# Altium PCB CT9042 FrontPanel.PcbDoc
Units mm, origin at the board's own origin, x right, y up, seen from the top; angles counter-clockwise.
Board outline 242.25 x 69.25 mm, 4 copper layers (Top Layer, Layer 1, Layer 2, Bottom Layer), stack 1.794 mm thick; 45 components, 0 nets, 135 pads, 0 vias.
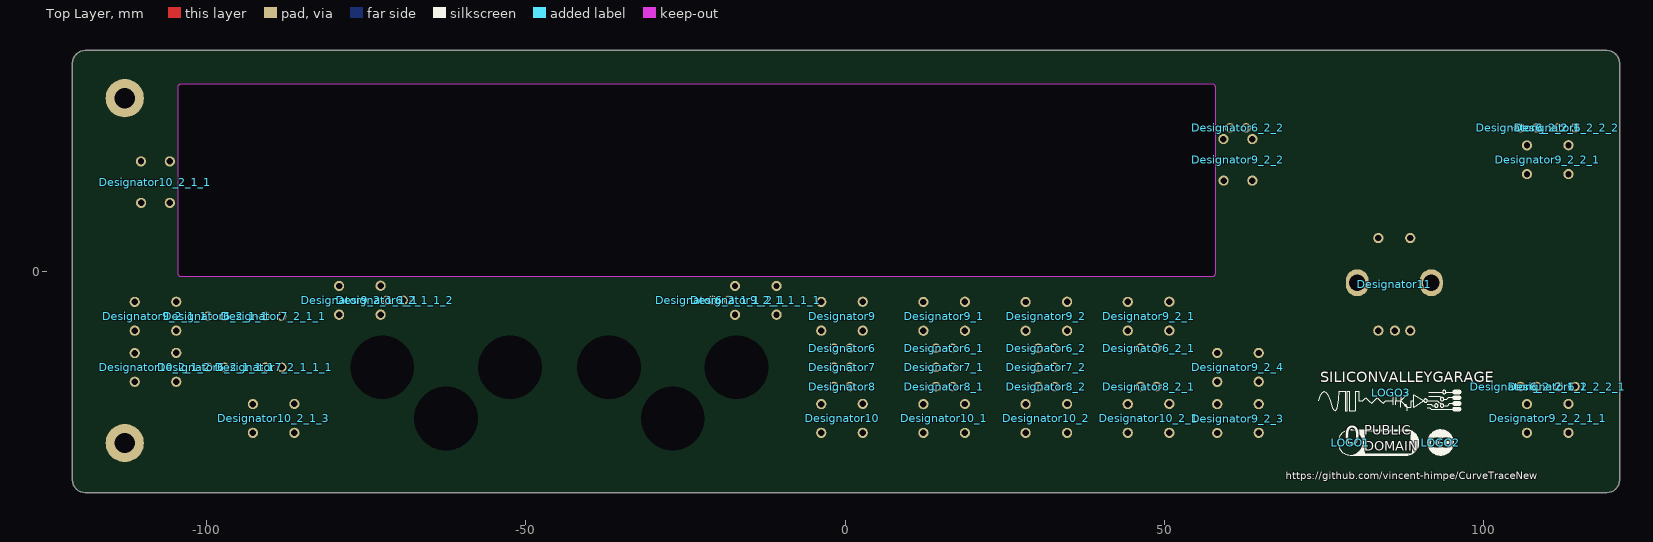
[diagram p0: Top Layer view]
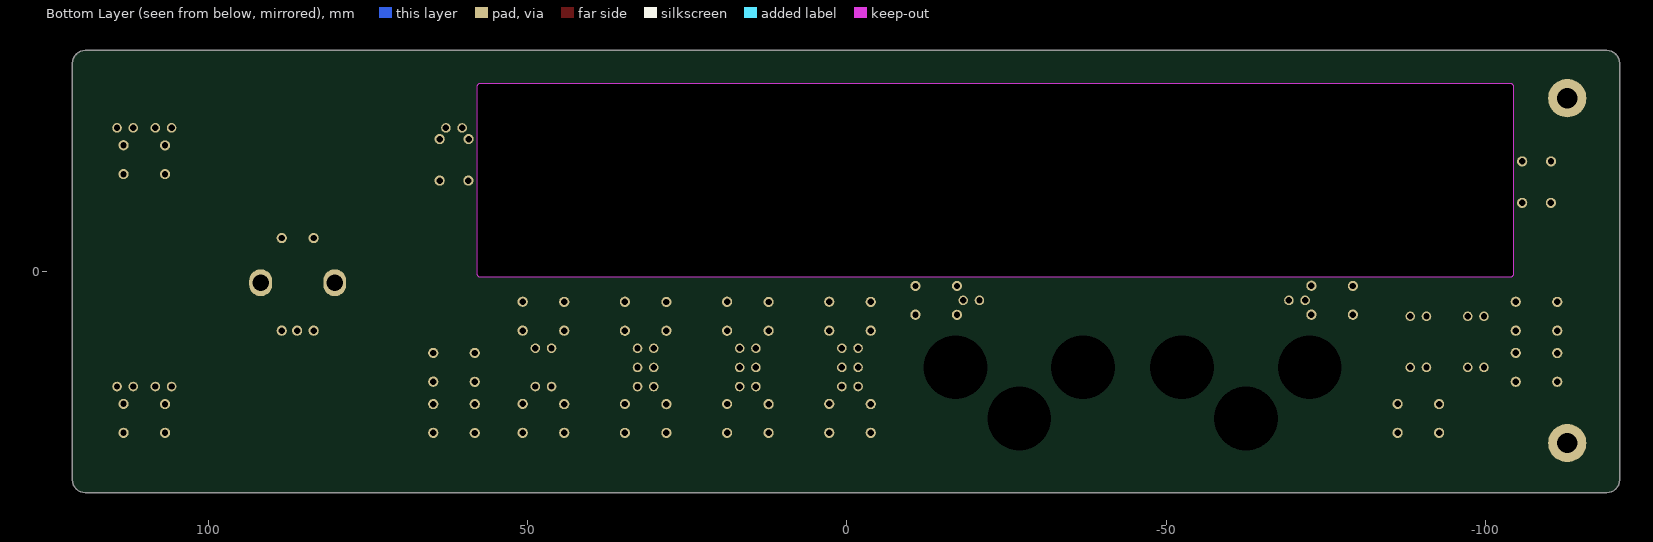
[diagram p1: Bottom Layer view, seen from below]

## Layer stack, top to bottom
Top Solder: solder mask 0.0102, Solder Resist, Dk 3.5
Top Layer: signal copper 0.0356
Dielectric 2: prepreg 0.1016, Core-009, Dk 4.5
Layer 1: signal copper 0.035
Dielectric 1: dielectric 1.45, FR-4, Dk 4.8
Layer 2: signal copper 0.035
Dielectric 3: prepreg 0.1016, Core-009, Dk 4.5
Bottom Layer: signal copper 0.0356
Bottom Solder: solder mask 0.0102, Solder Resist, Dk 3.5

## Board outline
-120.663,-33.736 -120.848,-33.39 -120.962,-33.015 -121,-32.625 -121,32.625 -120.962,33.015 -120.848,33.39 -120.663,33.736 -120.414,34.039 -120.111,34.288 -119.765,34.473 -119.39,34.587 -119,34.625 119.25,34.625 119.64,34.587 120.015,34.473 120.361,34.288 120.664,34.039 120.913,33.736 121.098,33.39 121.212,33.015 121.25,32.625 121.25,-32.625 121.212,-33.015 121.098,-33.39 120.913,-33.736 120.664,-34.039 120.361,-34.288 120.015,-34.473 119.64,-34.587 119.25,-34.625 -119,-34.625 -119.39,-34.587 -119.765,-34.473 -120.111,-34.288 -120.414,-34.039
cut-out: -104.45,-0.3 -104.45,28.9 cw(c-103.95,28.9) -103.95,29.4 57.45,29.4 cw(c57.45,28.9) 57.95,28.9 57.95,-0.3 cw(c57.45,-0.3) 57.45,-0.8 -103.95,-0.8 cw(c-103.95,-0.3)

## Design rules (kind name [scope] priority, off if disabled: settings)
Clearance [All] p1 off: gap=0.254 ignorepadtopadclearanceinfootprint=FALSE
ComponentClearance [All] p1 off: gap=0.254 collisioncheckmode=3 verticalgap=0.254 showdistances=FALSE
Height [All] p1 off: minheight=0 maxheight=25.4 prefheight=12.7
PolygonConnect [All] p1: connectstyle=Relief reliefconductorwidth=0.254 reliefentries=4 polygonreliefangle="90 Angle" airgapwidth=0.254
RoutingVias [All] p1: holewidth=0.711 width=1.27 viastyle="Through Hole" minholewidth=0.711 minwidth=1.27 maxholewidth=0.711 maxwidth=1.27
SolderMaskExpansion [All] p1: expansion=0.102 istentingtop=FALSE
Width [All] p1: maxlimit=0.254 minlimit=0.254 preferedwidth=0.254
28 further rules are at their usual default settings.

## Components (designator, comment, footprint, x,y, rotation, side; value= is the part's Value field where it differs from the comment)
Designator6 "Comment" LED-SUNLED-XLUY13D -0.5,-12 r0 top
Designator6_1 "Comment" LED-SUNLED-XLUY13D 15.499,-12.009 r0 top
Designator6_2 "Comment" LED-SUNLED-XLUY13D 31.499,-12.009 r0 top
Designator6_2_1 "Comment" LED-SUNLED-XLUY13D 47.5,-12 r0 top
Designator6_2_1_1 "Comment" LED-SUNLED-XLUY13D -98.5,-7 r0 top
Designator6_2_1_1_1 "Comment" LED-SUNLED-XLUY13D -98.5,-15 r0 top
Designator6_2_1_1_2 "Comment" LED-SUNLED-XLUY13D -70.5,-4.5 r180 top
Designator6_2_1_1_2_1 "Comment" LED-SUNLED-XLUY13D -19.5,-4.5 r0 top
Designator6_2_2 "Comment" LED-SUNLED-XLUY13D 61.5,22.5 r0 top
Designator6_2_2_1 "Comment" LED-SUNLED-XLUY13D 107.001,22.509 r0 top
Designator6_2_2_1_1 "Comment" LED-SUNLED-XLUY13D 107,-18 r0 top
Designator6_2_2_2 "Comment" LED-SUNLED-XLUY13D 113.001,22.509 r0 top
Designator6_2_2_2_1 "Comment" LED-SUNLED-XLUY13D 113,-18 r0 top
Designator7 "Comment" LED-SUNLED-XLUY13D -0.5,-15 r0 top
Designator7_1 "Comment" LED-SUNLED-XLUY13D 15.499,-15.009 r0 top
Designator7_2 "Comment" LED-SUNLED-XLUY13D 31.499,-15.009 r0 top
Designator7_2_1_1 "Comment" LED-SUNLED-XLUY13D -89.5,-7 r0 top
Designator7_2_1_1_1 "Comment" LED-SUNLED-XLUY13D -89.5,-15 r0 top
Designator8 "Comment" LED-SUNLED-XLUY13D -0.5,-18 r0 top
Designator8_1 "Comment" LED-SUNLED-XLUY13D 15.499,-18.009 r0 top
Designator8_2 "Comment" LED-SUNLED-XLUY13D 31.499,-18.009 r0 top
Designator8_2_1 "Comment" LED-SUNLED-XLUY13D 47.5,-18 r0 top
Designator9 "Comment" SWITCH-ESWITCH-TL1105SPF-1RCAP -0.5,-7 r0 top
Designator9_1 "Comment" SWITCH-ESWITCH-TL1105SPF-1RCAP 15.499,-7.009 r0 top
Designator9_2 "Comment" SWITCH-ESWITCH-TL1105SPF-1RCAP 31.499,-7.009 r0 top
Designator9_2_1 "Comment" SWITCH-ESWITCH-TL1105SPF-1RCAP 47.5,-7 r0 top
Designator9_2_1_1 "Comment" SWITCH-ESWITCH-TL1105SPF-1RCAP -108,-7 r0 top
Designator9_2_1_1_1 "Comment" SWITCH-ESWITCH-TL1105SPF-1RCAP -76,-4.5 r0 top
Designator9_2_1_1_1_1 "Comment" SWITCH-ESWITCH-TL1105SPF-1RCAP -14,-4.5 r180 top
Designator9_2_2 "Comment" SWITCH-ESWITCH-TL1105SPF-1RCAP 61.5,17.5 r90 top
Designator9_2_2_1 "Comment" SWITCH-ESWITCH-TL1105SPF-1RCAP 110.001,17.509 r0 top
Designator9_2_2_1_1 "Comment" SWITCH-ESWITCH-TL1105SPF-1RCAP 110,-23 r0 top
Designator9_2_3 "Comment" SWITCH-ESWITCH-TL1105SPF-1RCAP 61.5,-23 r180 top
Designator9_2_4 "Comment" SWITCH-ESWITCH-TL1105SPF-1RCAP 61.501,-14.991 r180 top
Designator10 "Comment" SWITCH-ESWITCH-TL1105SPF-1RCAP -0.5,-23 r0 top
Designator10_1 "Comment" SWITCH-ESWITCH-TL1105SPF-1RCAP 15.499,-23.009 r0 top
Designator10_2 "Comment" SWITCH-ESWITCH-TL1105SPF-1RCAP 31.499,-23.009 r0 top
Designator10_2_1 "Comment" SWITCH-ESWITCH-TL1105SPF-1RCAP 47.5,-23 r0 top
Designator10_2_1_1 "Comment" SWITCH-ESWITCH-TL1105SPF-1RCAP -108,14 r90 top
Designator10_2_1_2 "Comment" SWITCH-ESWITCH-TL1105SPF-1RCAP -108.001,-15.009 r0 top
Designator10_2_1_3 "Comment" SWITCH-ESWITCH-TL1105SPF-1RCAP -89.5,-23 r0 top
Designator11 "Comment" SWITCH-BOURNS-PEC12R-4120F-S0012 85.978,-1.75 r0 top
LOGO1 "LOGO-LICENSE-CC0-PUBLIC" LOGO-LICENSE-CC0-PUBLIC 79.135,-26.767 r0 top
LOGO2 "LOGO-LICENSE-CC" LOGO-LICENSE-CC 93.235,-26.767 r0 top
LOGO3 "SILICONVALLEYGARAGE" SILICONVALLEYGARAGE 85.5,-19 r0 top

## Footprints (in the part's own frame and the unit in brackets; to place one, negate y for a bottom-side part, rotate by r counter-clockwise, add the part's x,y. Pads: shape width x height; smd on the part's side, far side on the other; paste and mask are expansions set on the pad)
LED-SUNLED-XLUY13D [mm] "LED.YELLOW,DIFFUSED,FLAT TOP,2MM LENS,RECTANGLE BODY"
  round 1.5 hole 1: 1(1.27,0) 2(-1.27,0)
  body extent -2.4,-1.26 2.4,1.25, height 10.05
LOGO-LICENSE-CC [mm]
  silkscreen extent -2.08,-2.05 2.03,2.05
LOGO-LICENSE-CC0-PUBLIC [mm]
  silkscreen extent -1.97,-1.98 10.7,1.97
SILICONVALLEYGARAGE [mm]
  silkscreen extent -11.38,-2.89 10.94,0.48
SWITCH-BOURNS-PEC12R-4120F-S0012 [mm] "SWITCH,ROTATRY+CLICK,20MM AXLE"
  round 1.6 hole 1: 1(-2.5,7) 2(2.5,7) A(-2.5,-7.5) B(2.5,-7.5) C(0.1,-7.5)
  oval 3.6x4.2 hole 2.6: M1(5.8,0) M2(-5.8,0)
  body extent -7,-7.6 7,7.15, height 20.01
SWITCH-ESWITCH-TL1105SPF-1RCAP [mm] "SWTICH,TACT,MOM,WITH 1R CAP,E-SWITCH TL1105SP"
  round 1.6 hole 1: 1(-3.25,-2.25) 2(3.25,-2.25) 3(-3.25,2.25) 4(3.25,2.275)
  body extent -3.94,-3 3.94,3, height 13.5

## Free pads (board coordinates)
  round 6 hole 3.2 paste-2539.97 mask-1: 11(-112.811,27.155) 12(-112.811,-26.845)
  round 0 hole 10 unplated: M3(-72.499,-14.991) M3(-62.499,-22.991) M3(-52.499,-14.991) M3(-36.999,-14.991) M3(-26.999,-22.991) M3(-16.999,-14.991)

## Nets (pads, with @x,y where several pads share a name; then routed paths per layer and width w, separated by ;. In a path a pad name is that pad's centre, name@x,y a point inside that pad or via, vN(x,y) a via of type N, cw(c..) or ccw(c..) an arc to the next point about the centre after c; other vN are vias at no path point)
pads on no net: Designator6.1 Designator6.2 Designator6_1.1 Designator6_1.2 Designator6_2.1 Designator6_2.2 Designator6_2_1.1 Designator6_2_1.2 Designator6_2_1_1.1 Designator6_2_1_1.2 Designator6_2_1_1_1.1 Designator6_2_1_1_1.2 Designator6_2_1_1_2.1 Designator6_2_1_1_2.2 Designator6_2_1_1_2_1.1 Designator6_2_1_1_2_1.2 Designator6_2_2.1 Designator6_2_2.2 Designator6_2_2_1.1 Designator6_2_2_1.2 Designator6_2_2_1_1.1 Designator6_2_2_1_1.2 Designator6_2_2_2.1 Designator6_2_2_2.2 Designator6_2_2_2_1.1 Designator6_2_2_2_1.2 Designator7.1 Designator7.2 Designator7_1.1 Designator7_1.2 Designator7_2.1 Designator7_2.2 Designator7_2_1_1.1 Designator7_2_1_1.2 Designator7_2_1_1_1.1 Designator7_2_1_1_1.2 Designator8.1 Designator8.2 Designator8_1.1 Designator8_1.2 Designator8_2.1 Designator8_2.2 Designator8_2_1.1 Designator8_2_1.2 Designator9.1 Designator9.2 Designator9.3 Designator9.4 Designator9_1.1 Designator9_1.2 Designator9_1.3 Designator9_1.4 Designator9_2.1 Designator9_2.2 Designator9_2.3 Designator9_2.4 Designator9_2_1.1 Designator9_2_1.2 Designator9_2_1.3 Designator9_2_1.4 Designator9_2_1_1.1 Designator9_2_1_1.2 Designator9_2_1_1.3 Designator9_2_1_1.4 Designator9_2_1_1_1.1 Designator9_2_1_1_1.2 Designator9_2_1_1_1.3 Designator9_2_1_1_1.4 Designator9_2_1_1_1_1.1 Designator9_2_1_1_1_1.2 Designator9_2_1_1_1_1.3 Designator9_2_1_1_1_1.4 Designator9_2_2.1 Designator9_2_2.2 Designator9_2_2.3 Designator9_2_2.4 Designator9_2_2_1.1 Designator9_2_2_1.2 Designator9_2_2_1.3 Designator9_2_2_1.4 Designator9_2_2_1_1.1 Designator9_2_2_1_1.2 Designator9_2_2_1_1.3 Designator9_2_2_1_1.4 Designator9_2_3.1 Designator9_2_3.2 Designator9_2_3.3 Designator9_2_3.4 Designator9_2_4.1 Designator9_2_4.2 Designator9_2_4.3 Designator9_2_4.4 Designator10.1 Designator10.2 Designator10.3 Designator10.4 Designator10_1.1 Designator10_1.2 Designator10_1.3 Designator10_1.4 Designator10_2.1 Designator10_2.2 Designator10_2.3 Designator10_2.4 Designator10_2_1.1 Designator10_2_1.2 Designator10_2_1.3 Designator10_2_1.4 Designator10_2_1_1.1 Designator10_2_1_1.2 Designator10_2_1_1.3 Designator10_2_1_1.4 Designator10_2_1_2.1 Designator10_2_1_2.2 Designator10_2_1_2.3 Designator10_2_1_2.4 Designator10_2_1_3.1 Designator10_2_1_3.2 Designator10_2_1_3.3 Designator10_2_1_3.4 Designator11.1 Designator11.2 Designator11.A Designator11.B Designator11.C Designator11.M1 Designator11.M2

## Silkscreen, mask and mechanical layers (free items; w line width, h text height)
Top Overlay:
  text "https://github.com/vincent-himpe/CurveTraceNew" at 69.016,-32.942 h2
FACEPLATE:
  lines w0.05: -104.45,-0.3 ccw(c-103.95,-0.3) -103.95,-0.8 57.45,-0.8 ccw(c57.45,-0.3) 57.95,-0.3 57.95,28.9 ccw(c57.45,28.9) 57.45,29.4 -103.95,29.4 ccw(c-103.95,28.9) -104.45,28.9 -104.45,-0.3
FRONT GRAPHICS:
  drawing of 234 lines, arcs and shapes, not listed
  text "SILICONVALLEYGARAGE" at -114.295,29.247 h2.3
  text "Marker / Trace" at 58,27 h4
  text "CT9084 Curve Tracer" at -85.508,25.688 h7
  text "INSTRUMENTS" at -110.586,24.405 h2.3
  text "1" at 106.751,24.114 h3
  text "2" at 112.489,24.104 h3
  text "Marker" at 80.775,22.83 h4
  text "Power" at -111.013,19.122 h3
  text "DUT" at -77.5,0.5 h4
  text "Imax" at -4.5,0.5 h4
  text "Vmax" at 11,0.5 h4
  text "Pmax" at 27,0.5 h4
  text "Config" at -103.5,0.463 h4
  text "Oper" at 43,0.463 h4
  text "ALT" at 44.885,-2.886 h3
  text "Bipolar" at -101.425,-4.629 h3
  text "FET" at -91.449,-4.886 h3
  text "A" at -70.5,-6.25 h4
  text "B" at -24.5,-6.25 h4
  text "Count" at 57.912,-10.887 h3
  text "200mA" at 0.77,-12.623 h2.1
  text "40V" at 16.769,-12.632 h2.1
  text "4W" at 32.769,-12.629 h2.1
  text "P" at -99.11,-12.886 h3
  text "N" at -90.155,-12.886 h3
  text "20mA" at 0.77,-15.623 h2.1
  text "10V" at 16.77,-15.632 h2.1
  text "0.4W" at 32.77,-15.632 h2.1
  text "A" at 106.239,-16.395 h3
  text "B" at 112.378,-16.395 h3
  text "2mA" at 0.77,-18.627 h2.1
  text "2V" at 16.769,-18.636 h2.1
  text "40mW" at 32.769,-18.632 h2.1
  text "Setup" at -92.585,-28.638 h3
  text "Trace" at 75.456,-28.67 h4
  text "Run/Stop" at 41.973,-28.725 h3
  text "DUT" at 107.858,-28.878 h3
  text "Select" at 58.129,-28.887 h3
Board:
  lines w0.05: -99.45,6.05 -98.45,6.05 53.05,6.05 53.05,22.55 -99.45,22.55 -99.45,14.3 -99.45,6.05
  lines w0.1: -121,-32.625 -120.962,-33.015 -120.848,-33.39 -120.663,-33.736 -120.414,-34.039 -120.111,-34.288 -119.765,-34.473 -119.39,-34.587 -119,-34.625 119.25,-34.625 119.64,-34.587 120.015,-34.473 120.361,-34.288 120.664,-34.039 120.913,-33.736 121.098,-33.39 121.212,-33.015 121.25,-32.625 121.25,32.625 121.212,33.015 121.098,33.39 120.913,33.736 120.664,34.039 120.361,34.288 120.015,34.473 119.64,34.587 119.25,34.625 -119,34.625 -119.39,34.587 -119.765,34.473 -120.111,34.288 -120.414,34.039 -120.663,33.736 -120.848,33.39 -120.962,33.015 -121,32.625 -121,-32.625 ; -116.75,-31.325 116.75,-31.325 116.75,31.325 -116.75,31.325 -116.75,-31.325
  text "BORDER" at -9.172,-33.444 h3

## Text inside footprints (layer, text, board x,y; h text height)
Designator6: Top Overlay "+" at -3.55,-12.35 h0.8
Designator6_1: Top Overlay "+" at 12.449,-12.359 h0.8
Designator6_2: Top Overlay "+" at 28.449,-12.359 h0.8
Designator6_2_1: Top Overlay "+" at 44.45,-12.35 h0.8
Designator6_2_1_1: Top Overlay "+" at -101.55,-7.35 h0.8
Designator6_2_1_1_1: Top Overlay "+" at -101.55,-15.35 h0.8
Designator6_2_1_1_2: Top Overlay "+" at -67.45,-4.15 h0.8 r180
Designator6_2_1_1_2_1: Top Overlay "+" at -22.55,-4.85 h0.8
Designator6_2_2: Top Overlay "+" at 58.45,22.15 h0.8
Designator6_2_2_1: Top Overlay "+" at 103.951,22.159 h0.8
Designator6_2_2_1_1: Top Overlay "+" at 103.95,-18.35 h0.8
Designator6_2_2_2: Top Overlay "+" at 109.951,22.159 h0.8
Designator6_2_2_2_1: Top Overlay "+" at 109.95,-18.35 h0.8
Designator7: Top Overlay "+" at -3.55,-15.35 h0.8
Designator7_1: Top Overlay "+" at 12.449,-15.359 h0.8
Designator7_2: Top Overlay "+" at 28.449,-15.359 h0.8
Designator7_2_1_1: Top Overlay "+" at -92.55,-7.35 h0.8
Designator7_2_1_1_1: Top Overlay "+" at -92.55,-15.35 h0.8
Designator8: Top Overlay "+" at -3.55,-18.35 h0.8
Designator8_1: Top Overlay "+" at 12.449,-18.359 h0.8
Designator8_2: Top Overlay "+" at 28.449,-18.359 h0.8
Designator8_2_1: Top Overlay "+" at 44.45,-18.35 h0.8
LOGO1: Top Overlay "0" at 78.144,-28.129 h5; Top Overlay "PUBLIC / DOMAIN" at 81.285,-28.579 h2.5